# KiCad board stereoBoy_MGB.kicad_pcb (continued)
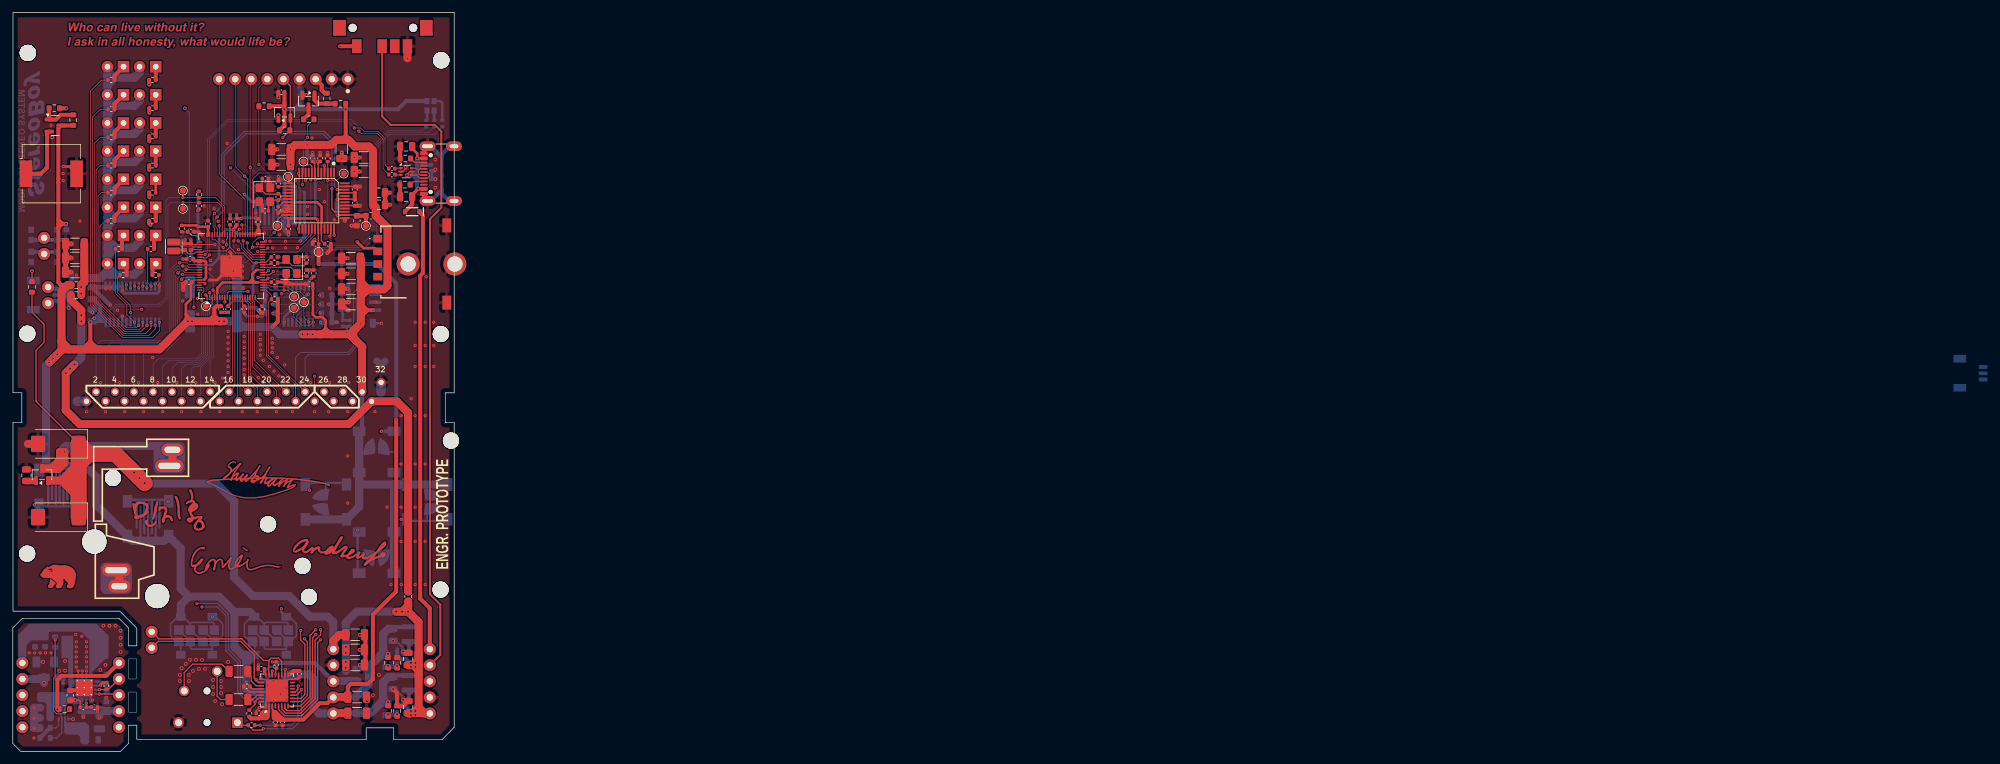
[diagram p0: board, top side]
## Routing (per net, layer and track width the routed paths; a pad name or vN(x,y) marks a point on that pad's centre or on a via; arc(x,y) is an arc through that point) (continued)
+5V_BUCK: length 2.6
  Top w0.203: v2(9.86,8.1) 10.49,8.1 10.65,7.94 R4.1
  Top w0.635: C28.1 v2(9.86,8.1)
+5V_OUT: length 62
  Top w1.27: 64.05,15.56 64.05,14.92 ; 64.05,14.92 64.05,14.47 63.24,13.66 C9.1 ; 64.05,14.92 64.05,20.42 v2(62.4,22.07) ; 64.05,14.92 64.05,13.65 ; v2(61.46,22.07) 62.4,23.01 L7.2 v2(62.4,22.07) ; C9.1 64.05,13.66 64.05,13.65 ; C9.1 63.16,13.66 64.05,12.77 64.05,12.06 ; 64.05,6.96 63.13,6.04 C11.1 65.78,6.04 J13.6 65.03,5.99 64.05,6.96 ; 64.05,6.96 64.05,12.06 ; v2(62.4,22.07) v2(60.5,22.07) ; 64.05,12.06 64.05,13.65
  Bottom w0.635: 62.56,13.49 62.56,14.13 62.1,14.59 61.18,14.59 60.66,15.1 U8.1 ; 62.56,5.87 62.56,6.51 62.1,6.97 61.18,6.97 60.66,7.48 U4.1
  Bottom w1.27: 65.71,5.87 J13.6 ; v2(62.4,22.07) 54.31,22.07 52.56,20.32 L3.2
  vias: v2(52.56,16.51) v2(52.56,15.56) v2(52.56,14.13) v2(52.56,13.18) v2(62.85,13.97) v2(62.85,13.34) v2(62.85,6.37) v2(62.85,5.72) v2(63.55,13.97) v2(63.55,13.34) v2(63.55,6.37) v2(63.55,5.72)
+5V_SPK: length 19.3
  Top w0.203: U10.21 41.5,12.12 41.5,13.07 C84.1 ; v1(39.76,12.25) U10.24
  Top w0.406: C83.1 39.7,12.31 v1(39.76,12.25)
  Top w0.508: v1(41.32,13.39) 41.53,13.18 C84.1
  Bottom w0.406: v1(39.76,12.25) 39.76,12.6 40.53,13.37 41.3,13.37 v1(41.32,13.39)
  Bottom w0.635: J13.3 47.69,13.97 41.9,13.97 v1(41.32,13.39)
  Bottom w1.27: C87.2 L3.1 50.63,11.11 J13.3
+VCC_LED: length 139.5
  Top w1.27: C56.2 C88.2 11.28,74.14 R22.2 R21.1
  Bottom w1.27: 16.21,88.66 19.21,88.66 20.02,89.46 D5.2 ; 16.21,88.66 14.94,89.93 D13.2 14.94,91.83 16.21,93.1 ; 16.21,88.66 14.94,87.39 D14.2 14.94,85.41 16.13,84.21 ; 16.21,88.66 15.18,88.66 14.94,88.9 ; 16.21,79.53 14.94,80.8 D15.2 14.94,83.01 16.13,84.21 ; 16.21,79.53 18.98,79.53 20.02,80.57 D7.2 ; 16.21,79.53 14.94,78.26 D16.2 ; 16.21,79.53 14.94,79.53 ; 14.94,98.27 14.94,93.66 ; 14.94,98.27 D11.2 14.94,100.72 16.21,101.99 ; 14.94,98.27 14.94,102.39 ; 13.82,74.77 14.94,75.88 D16.2 ; 13.82,74.77 14.37,75.32 16.21,75.32 ; 13.82,74.77 11.75,74.77 10.81,73.83 10.81,72.35 ; 16.37,97.55 14.94,96.12 D12.2 14.94,94.37 16.21,93.1 ; 16.37,97.55 15.64,97.55 ; 16.37,97.55 19.21,97.55 20.02,98.35 D3.2 ; 14.94,105.25 16.05,106.36 16.05,106.44 ; 14.94,105.25 14.94,106.68 ; 14.94,105.25 14.94,102.39 ; D10.2 14.94,103.26 16.21,101.99 ; D1.2 20.02,107.24 19.21,106.44 16.05,106.44 ; 16.13,84.21 16.37,84.21 ; 14.94,106.68 D9.2 14.94,107.55 16.05,106.44 ; 14.94,106.68 15.18,106.44 16.05,106.44 ; 14.94,99.22 14.94,98.75 16.21,97.48 ; 14.94,88.9 14.94,79.53 ; 14.94,88.9 14.94,93.66 ; 16.21,93.1 19.21,93.1 20.02,93.9 D4.2 ; 16.21,93.1 15.5,93.1 14.94,93.66 ; 16.21,75.32 14.94,76.59 D16.2 ; 16.21,75.32 19.21,75.32 20.02,76.12 D8.2 ; D16.2 14.94,79.53 ; 16.37,84.21 15.02,84.21 14.94,84.3 ; 16.37,84.21 19.21,84.21 20.02,85.01 D6.2 ; 16.21,101.99 15.34,101.99 14.94,102.39 ; 16.21,101.99 19.21,101.99 20.02,102.79 D2.2
  vias: v2(10.77,73.34) v2(10.81,72.31)
AVDD: length 16.4
  Top w0.203: C49.1 53.9,87.25 U1.43 51.3,87.25 v1(51.21,87.15) 51.21,88.05 51.4,88.25 U1.45 53.97,88.25 C75.1 ; v1(51.27,84.63) 51.39,84.75 U1.38 54.17,84.75 C54.1
  Top w0.635: C54.1 L8.2 TP10.1 ; C75.1 C49.1
  Bottom w0.635: v1(51.21,87.15) 51.21,84.69 v1(51.27,84.63)
GND: length 318.8
  Top w0.102: v1(61.13,90.01) 61.07,89.95 R16.2 ; C18.2 36.53,69.2 v1(36.66,69.06) ; C39.1 43.5,82.07 ; R33.2 v1(61.13,93.19)
  Top w0.152: v1(31.9,80.05) 31.88,80.08 U11.62 28.22,80.08 C81.1
  Top w0.203: C41.1 38.42,6.41 v1(38.93,6.92) 39.7,6.92 U10.1 39.95,7.17 39.95,7.87 U10.33 ; v1(43.19,8.1) 41.7,9.59 U10.33 ; v2(62.01,92.3) 62.01,92.07 61.54,91.6 U12.2 ; U10.33 40.86,10.45 v1(40.18,10.45) 40.18,11.14 39.95,11.36 39.25,11.36 U10.25 39.25,11.59 v1(39.16,11.68) ; U10.33 41.7,9.88 42.27,10.45 ; U10.33 41.95,9.87 U10.20 ; U10.33 41.45,9.37 U10.29 39.22,9.39 37.31,9.39 C13.1 ; U10.33 42.45,10.37 ; U10.33 42.95,10.87 U10.18 42.95,12.88 v1(43,12.93) ; U10.33 43.44,11.36 44.14,11.36 U10.16 44.5,11.37 44.57,11.43 ; U10.33 41.7,8.56 v1(41.14,8) ; U10.33 41.7,8.88 41.1,8.28 ; U10.33 41.83,9.62 42.24,9.21 v1(42.24,9.05) v1(43.19,10) ; U10.33 41.43,9.62 40.59,10.45 ; U1.4 49.21,92.48 v1(49.18,92.51) ; U1.35 50.16,82.5 50.16,81.5 v1(50.04,81.38) ; v1(40.97,14.13) 40.98,14.14 C84.2 ; C49.2 53.94,86.25 U1.41 ; U1.47 53.97,89.25 C75.2
  Top w0.406: R49.2 v1(46.84,76.04) C20.1 ; v1(36.05,84.17) C57.2 v1(35.35,84.77) ; C40.1 v1(47.32,94.62) ; v1(34.23,77.96) 34.46,77.74 U11.81 ; 43.83,73.84 43.02,73.84 42.72,74.14 ; 43.83,73.84 43.15,74.52 43.15,74.61 ; 43.83,73.84 43.85,73.82 C15.1 ; 28.11,80.75 28.11,80.16 ; v1(38.36,86.84) Y1.2 39.38,86.37 C4.1 ; Y1.4 40.34,89.3 40.34,90.49 ; 43.35,74.14 43.15,74.34 43.15,74.61 ; 43.35,74.14 43.51,73.98 ; 43.35,74.14 42.72,74.14 ; Y2.4 43.15,74.61 ; 43.15,74.61 43.15,74.5 ; 43.15,74.61 43.15,74.57 42.72,74.14 ; 43.51,86.19 U1.21 43.51,85.3 43.45,85.3 43.39,85.36 42.2,85.36 C71.1 ; C14.2 29.39,82.07 v1(29.88,81.59) ; C47.2 38.73,84.16 38.5,84.16 v1(38.36,84.3) ; 49.67,94.16 R50.2 v1(49.7,94.62) ; v1(13.83,10.47) 14.22,10.86 R54.2 ; C19.2 42.72,74.14 ; C21.1 45.11,78.11 v1(45.1,78.11) ; v1(34.79,74.87) 34.46,75.19 U11.81 ; C36.1 44.94,11.43 44.57,11.43 ; C81.1 C82.2 ; v1(36.21,76.68) 36.08,76.56 34.58,76.56 U11.81 ; U11.81 34.46,76.62 v1(36.21,74.88) ; U11.81 34.46,76.26 v1(34.85,75.88) ; U11.81 32.24,74.45 v1(31.08,74.45) ; U11.81 34.46,78.71 v1(34.26,78.91) ; C23.2 34.3,84.77 v1(34.3,84.77) ; C25.2 v1(33.45,69.37) 32.88,69.37 C17.2 ; v1(13.35,6.35) 13.36,6.36 R13.2 ; v1(48.51,94.62) C38.1 ; v1(43.51,81.62) C39.1 ; v1(47.65,80.88) 47.31,80.54 C26.1 ; 27.16,80.16 27.16,80.8 ; 7.95,92.39 8.94,92.39 BZ1.2 ; C83.2 38.74,13.65 v1(38.75,13.65) ; v1(42.88,85.57) 43.13,85.57 ; C27.1 v1(41.92,90.81) ; C79.2 v1(26.84,77.79)
  Top w0.508: 64.89,88.08 64.89,87.54 J7.S1 ; 65.46,95.6 64.89,95.03 J7.A12
  Top w0.635: v1(59.54,88.27) C69.1 58.74,86.37 C61.1 v1(59.54,86.36) ; v1(54.81,86.19) C49.2 ; v1(54.81,89.23) C75.2 ; v2(46.37,103.66) Q3.2 ; C73.1 v1(41.76,92.71) ; v1(53.9,93.82) v1(54.78,93.82) ; C51.1 v1(52.85,75.46) ; R33.2 61.14,93.67 C76.2 ; 55.67,16.03 54.94,16.03 ; v1(53.9,91.6) v1(54.78,91.6) ; v1(26.88,72.9) v1(26.88,73.85) 27.03,73.85 C16.2 ; C68.2 61.14,89.47 R16.2 ; v1(49.64,78.75) 50.19,79.3 C37.1 ; U3.17 10.88,9.65 C28.2 ; C46.1 v1(52.85,77.91) ; 54.94,18.41 55.67,18.41 55.67,13.65 54.94,13.65 ; v1(52.4,83.82) 52.4,84.08 52.41,84.08 ; v1(51.92,93.66) v1(51.92,94.62) ; v1(53.04,70.96) 52.2,70.96 C70.1 52.86,69.69 v1(53.04,69.69) ; C11.2 61.67,7.21 R36.2 60.66,9.21 v2(60.02,9.85) ; C72.1 v1(41.76,95.09) ; v2(41.92,103.35) C52.2 ; v1(52.85,73.06) C55.1 ; v1(53.47,83.06) C54.2
  Top w0.762: v1(9.22,75.72) C88.1 C56.1 9.22,80.17 v1(9.23,80.16) ; C45.1 v1(9.22,77.95)
  Top w1.27: -0.P$3 16.81,28.15 -0.P$4 ; C2.2 v1(2.39,48.58) ; v1(62.3,109.49) SW3.P$3
  In1.Cu w0.254: J5.4 22.94,4.54 22.48,5.01 18.09,5.01 J10.2
  Bottom w0.2: 52.09,68.11 C58.2
  Bottom w0.203: J1.12 38.34,84.32 v1(38.36,84.3) ; v1(11.61,12.69) U3.7 11.61,10.38 ; v1(10.31,12.7) U3.5 10.31,11.03 U3.17 ; v1(12.55,8.1) 12.55,8.09 U3.13 12.26,9.08 U3.17 ; 11.61,10.38 U3.10 13.74,10.38 v1(13.83,10.47) ; 11.61,10.38 U3.17 ; U3.17 10.96,10.38 U3.6 v1(10.96,12.69) ; J1.6 J1.5
  Bottom w0.254: v2(9.51,5.1) 9.46,5.15 U7.1
  Bottom w0.305: v2(60.02,17.46) 60.48,17.46 61.61,16.33 v2(61.61,15.77) ; v2(61.61,8.15) 61.61,8.57 60.34,9.85 v2(60.02,9.85)
  Bottom w0.406: v1(42.82,67.78) 42.82,68.58 46.45,72.21 v1(46.65,72.21) ; 17.05,73.5 U2.1 12.74,73.5 C29.1 ; 17.05,73.5 U2.5 17.27,72.69 17.61,72.36 22.79,72.36 23.12,72.69 U2.14 v1(23.12,73.54) ; 17.05,73.5 17.25,73.5 17.25,73.5 v1(17.25,72.71) ; v1(46.54,86.09) 46.04,86.09 J1.1 ; v1(58.19,67.63) C59.2 ; v1(36.66,69.06) 36.66,69.01 36.94,68.74 39.38,68.74 39.83,69.18 R6.1 ; v1(36.56,87.99) 37.71,86.84 v1(38.36,86.84) 38.36,85.11 J1.12 ; 45.89,88.42 46.04,88.27 J1.1 ; U6.10 v1(43.47,73.98) ; v1(36.05,84.17) 36.18,84.3 v1(38.36,84.3) ; D23.1 v2(4.78,14.13) ; J1.1 46.29,84.84 v1(46.54,84.84) ; J1.1 46.04,81.77 ; U14.1 52.08,69.53 C58.2 C60.2 ; v1(57.3,70.96) U14.7 ; v1(17.27,68.78) U2.24 ; 41.97,90.76 v1(41.92,90.81)
  Bottom w0.635: v1(45.41,80.62) 46.04,81.26 46.04,81.77 ; J7.S1 68.89,86.96 67.7,88.16 67.7,88.7 ; C64.2 12.54,69.38 v2(12.55,69.37) ; R7.1 v1(49.86,70.64) ; 16.61,73.31 C29.1 15.31,70.55 15.35,70.55 ; R9.1 R10.1 v1(51.14,67.79) ; 67.7,88.7 67.7,93.86 ; 67.7,88.7 65.96,86.96 J7.S1 ; U14.2 v1(53.04,70.96) 53.04,72.87 v1(52.85,73.06) 52.4,73.5 U14.4 ; 69.08,95.6 69.02,95.6 67.7,94.28 67.7,93.86 ; 42.88,85.09 42.88,86.68 ; v1(26.88,72.9) 27.32,73.34 C43.2 27.39,73.34 v1(26.88,73.85) ; 67.7,93.86 65.96,95.6 65.46,95.6 ; v2(8.82,70.07) 8.82,71.68 8.43,72.07 J2.2 ; v1(14.75,8.5) 14.75,7.84 R3.2 ; v1(43.51,81.62) 42.88,82.26 v1(42.88,85.57) 42.88,89.85 v1(41.92,90.81) ; C8.2 v1(11.13,5.4) ; v2(66.7,90.41) 66.05,90.41 C5.1 66.48,91.71 v2(66.69,91.92) ; v1(34.94,73.21) 34.96,73.18 v1(36.37,73.18) ; R12.1 R6.1 ; U14.1 v1(53.04,69.69)
  Bottom w0.762: v1(9.22,75.72) 9.22,72.87 8.43,72.07
  Bottom w1.27: J10.2 13.82,6.35 C42.2 ; C42.2 11.14,6.51 C8.2 ; C42.2 13.67,5.56 ; v2(4.94,10.8) C62.2 4.68,11.43 J11.4 ; C7.2 v1(3.35,5.29) ; C63.2 v1(3.35,6.88) v1(3.35,3.71) 4.22,3.71 4.24,3.73
  Bottom w1.5: 58.12,58.26 58.12,56.79 ; 11.64,55.29 10.18,55.29
  vias: v1(2.59,15.56) v1(3.35,2.12) v1(3.45,15.56) v1(4.31,15.56) v1(5.17,15.56) v1(6.05,98.9) v1(6.03,15.56) v1(7.96,92.39) v1(7.96,91.28) v1(7.95,90.17) v1(7.95,10.8) v1(9.93,18.44) v1(10.02,75.25) v1(10.02,17.3) v1(10.02,16.51) v1(10.02,15.72) v1(10.02,14.92) v1(10.02,14.13) v1(10.02,13.34) v1(10.59,83.78) v1(10.89,18.18) v1(11.6,56.99) v1(11.64,53.66) v1(11.63,17.3) v1(11.63,16.51) v1(11.63,15.72) v1(11.63,14.92) v1(11.63,14.13) v1(11.63,13.34) v1(13.67,5.4) v1(13.82,58.26) v1(14.67,73.18) v1(14.62,53.66) v1(15.32,73.18) v1(15.4,70.5) v1(16.52,69.69) v1(16.84,58.26) v1(17.67,53.66) v1(19.86,58.26) v1(20.65,53.66) v1(22.08,62.23) v1(22.87,58.26) v1(23.67,53.66) v1(25.89,58.26) v1(26.64,53.66) v1(26.81,71.16) v1(27.16,80.8) v1(28.11,80.8) v1(28.91,58.26) v1(29.2,69.05) v1(29.7,53.66) v1(30.21,86.18) v1(31.15,76.18) v1(31.23,77.54) v1(31.79,85.72) v1(31.92,58.26) v1(32.42,83.73) v1(32.68,53.66) v1(33.11,58.98) v1(33.21,80.51) v1(33.83,96.04) v1(33.99,66.36) v1(33.99,65.43) v1(33.99,64.5) v1(33.99,63.57) v1(33.99,62.64) v1(33.99,61.71) v1(33.99,60.78) v1(33.99,59.85) v1(35.62,79.27) v1(36.21,75.88) v1(36.21,53.66) v1(36.53,65.56) v1(36.53,64.69) v1(36.53,63.82) v1(36.53,62.94) v1(36.53,62.07) v1(36.53,61.2) v1(36.53,60.33) v1(36.53,59.45) v1(36.53,58.58) v1(38.36,85.09) v1(38.59,53.66) v1(38.63,68.73) v1(38.75,59.06) v1(39.07,65.88) v1(39.07,65.06) v1(39.07,64.23) v1(39.07,63.4) v1(39.07,62.58) v1(39.46,58.35) v1(39.54,61.75) v1(39.7,81.89) v1(39.83,71.28) v1(40.5,60.8) v1(40.6,80.58) v1(40.64,89.85) v1(40.98,79.55) v1(40.96,65.25) v1(40.96,64.51) v1(40.96,63.77) v1(40.96,63.03) v1(41.13,11.11) v1(41.24,60.06) v1(41.61,53.66) v1(41.74,62.23) v1(41.98,59.32) v1(42,78.12) v1(42.13,81.62) v1(42.72,58.58) v1(42.93,61.07) v1(43.03,80.58) v1(43.03,79.53) v1(44.14,53.66) v1(44.65,90.22) v1(44.62,77.31) v1(44.93,79.58) v1(45.42,58.26) v1(46.21,90.24) v1(47,58.26) v1(47.22,96.9) v1(47.64,53.66) v1(48.39,88.74) v1(49.21,86.84) v1(49.86,53.66) v1(50.02,73.16) v1(50.02,58.26) v1(50.74,83.98) v1(52.88,53.66) v1(52.88,46.67) v1(52.88,39.21) v1(53.04,58.26) v1(57.16,53.66) v1(59.07,38.58) v1(59.7,26.35) v1(61.29,53.02) v1(61.29,45.4) v1(61.29,38.58) v1(61.29,33.18) v1(61.32,26.35) v1(62.88,55.72) v1(63.51,67.79) v1(63.51,64.14) v1(63.51,60.8) v1(63.51,53.02) v1(63.51,45.4) v1(63.51,38.58) v1(63.51,33.18) v1(63.51,26.35) v1(65.1,67.79) v1(65.1,64.14) v1(65.1,60.8) v1(65.1,53.02) v1(65.1,45.4) v1(65.1,33.18) v1(65.1,26.35) v1(65.24,74.99) v1(66.45,67.79) v1(66.45,64.14) v1(66.45,60.8) v2(6.23,97) v2(7.32,12.7) v2(8.24,14.26) v2(8.24,12.74) v2(13.82,12.86) v2(14.3,19.84) v2(14.62,13.65) v2(15.25,19.84) v2(16.21,19.84) v2(17,19.05) v2(17,17.94) v2(17,16.83) v2(17,15.72) v2(26.37,12.06) v2(26.37,11.11) v2(26.65,13.14) v2(27.32,13.81) v2(27.79,12.06) v2(27.79,11.11) v2(27.95,14.45) v2(28.43,12.7) v2(28.91,14.45) v2(29.38,13.02) v2(29.86,14.45) v2(30.34,13.02) v2(31.6,11.27) v2(31.6,10.16) v2(31.6,9.05) v2(31.92,7.94) v2(32.88,11.11) v2(32.88,10.16) v2(32.88,9.21) v2(33.03,7.46) v2(33.99,14.13) v2(41.93,100.49) v2(54.78,18.41) v2(54.78,16.03) v2(54.78,13.65) v2(55.89,7.94) v2(56.85,8.89) v2(57.8,12.06) v2(66.69,93.5) v2(66.69,89.06)
VBUS: length 70.2
  Top w0.635: D22.1 64.74,84.71 64.74,75.57 64.31,75.14 64.31,24.13 65.82,22.61 65.82,16.12
VBUS_MODULE: length 22
  Top w0.203: R39.2 7.28,6.63 v2(7.03,6.63)
  Top w0.635: v2(7.03,6.63) 7.03,11.31 7.65,11.92 14.7,11.92 J10.5
  Bottom w0.203: v2(7.03,6.63) 7.04,6.63 U7.5 7.23,6.04 7.73,5.54 U7.3 7.73,2.96 6.89,2.12 R55.1
VBUS_RAW: length 22.9
  Top w0.203: v2(62.21,91.02) 62.21,91.12 62.69,91.6 U12.5
  Top w0.406: J7.A9 63.85,93.68 v2(63.83,93.7) 63.83,94.46 63.04,95.25 C76.1
  Top w0.508: 64.89,88.88 v2(64,88.88) 63.04,87.92 C68.1
  Top w0.635: C68.1 63.04,86.41 D22.2
  Bottom w0.635: 63.83,93.31 63.83,93.28 64.45,92.67 ; 63.83,93.31 v2(63.83,93.7) ; 63.83,93.31 63.83,92.71 ; 64.45,92.67 63.89,92.11 63.83,92.11 ; 64.45,92.67 63.87,92.67 63.83,92.71 ; 64.45,92.67 C5.2 ; 63.83,90.81 63.83,90.31 ; 63.83,90.81 63.62,91.02 62.85,91.02 ; 63.83,90.81 63.83,91.81 ; 63.83,90.31 63.12,91.02 62.85,91.02 ; 63.83,90.31 63.83,89.05 v2(64,88.88) ; 62.85,91.02 62.24,91.02 62.23,91.01 ; 62.85,91.02 63.05,91.02 63.83,91.81 ; 63.83,91.81 63.83,92.11 ; 63.83,92.71 63.83,92.11
+BATT: length 113.5
  Top w0.203: R23.1 3.03,69.37 4.94,67.47 4.94,64.61 3.66,63.34 3.66,55.31 C2.1
  Top w1.27: J13.5 50.59,17.48 51.53,18.41 C34.2 ; 10.15,42.86 10.21,42.81 10.13,42.88
  Top w2.54: v2(20.81,42.39) 16.21,46.99 12.55,46.99 ; 10.4,46.99 C2.1 11.98,46.99 ; 10.4,46.99 10.4,45.4 ; 10.4,46.99 12.55,46.99 ; C1.1 10.4,45.4 ; 10.4,45.4 11.98,46.99 ; 11.98,46.99 12.55,46.99
  Bottom w1.27: v2(19.14,44.05) 20.9,42.3 32.17,42.3 34.94,39.53 34.94,27.48 37.87,24.56 43.61,24.56 46.9,21.27 49.7,21.27 50.58,20.39 50.58,16.12
  vias: v2(20.02,43.18)
+BATT_MODULE: length 29.3
  Bottom w0.203: 13.03,15.89 12.26,15.11 12.26,12.51 12.75,12.02 12.75,12.01 ; 12.75,12.01 12.45,11.71 12.25,11.71 ; 12.75,12.01 14.63,12.01 R1.1 ; 12.75,12.01 12.74,12.02 U3.8
  Bottom w0.635: C85.1 3.51,18.26
  Bottom w1.27: 13.19,17.41 11.07,19.53 2.87,19.53 1.51,18.16 J11.5 ; 13.19,17.41 11.5,19.1 ; 13.19,17.41 13.19,15.64
ADC0: length 31
  Top w0.102: U11.49 35.06,80.81 v1(34.87,80.63)
  Bottom w0.102: v1(34.87,80.63) 34.87,77.9 33.32,76.34 33.32,73.02 30.73,70.42 30.73,62.59 29.24,61.1 27.3,61.1 26.64,60.44 J3.11
BACKLIGHT: length 46.2
  Top w0.102: U11.2 31.06,72.43 v1(31.07,72.44)
  Top w0.635: J6.7 48.75,105.25 v1(48.75,104.46) 49.23,103.98 R31.2
  In1.Cu w0.102: v1(48.75,104.46) 48.75,101.92 43.03,96.2 39.09,96.2 31.29,88.4 31.29,79.96 32.08,79.17 32.08,74.06 31.07,73.04 v1(31.07,72.44)
BTN_A: length 48.5
  In2.Cu w0.102: v1(40.97,70.64) 42.24,69.37 42.24,60.36 37.13,55.24 37.13,45.84 30.75,39.47 v1(24.53,39.47)
  Bottom w0.102: U6.13 45.42,72.55 43.52,70.64 R5.2
  Bottom w0.203: BTN_A1.2 24.57,39.47 v1(24.53,39.47)
BTN_B: length 65.9
  In2.Cu w0.102: v1(3.39,38.95) 6.01,41.57 27.61,41.57 34.14,48.1 34.14,55.4 41.61,62.87 41.61,68.65 v1(41.05,69.21)
  Bottom w0.102: U6.14 46.07,72.57 42.72,69.22 R6.2
BTN_D: length 41.2
  In2.Cu w0.102: v1(48.5,69.26) 48.71,69.26 49.25,68.72 49.25,58.24 51.92,55.56 51.92,52.93 54.47,50.39 54.47,34.98 v1(54.43,34.94)
  Bottom w0.102: U6.4 45.42,68.75 45.93,69.26 v1(48.5,69.26)
BTN_L: length 50.9
  In2.Cu w0.102: v1(61.32,36.66) 61.32,36.67 60.02,37.97 60.02,65.09 53.04,72.07 v1(48.45,72.07)
  Bottom w0.102: U6.6 44.12,68.72 47.48,72.07 v1(48.45,72.07)
  Bottom w0.406: v1(61.32,36.66) 61.33,36.67 62.15,36.67 BTN_L1.2
BTN_R: length 31.9
  In2.Cu w0.102: v1(46.84,41.28) 46.54,41.58 46.54,55.73 48.6,57.79 v1(48.6,67.76)
  Bottom w0.102: U6.3 46.07,68.74 46.19,68.86 47.65,68.86 R10.2
  Bottom w0.2: R10.2 48.67,67.74 48.43,67.74
BTN_SELECT: length 61.6
  In2.Cu w0.102: v1(31.51,21.25) 31.77,21.51 31.77,31.44 40.18,39.85 40.18,55.25 43.43,58.5 43.43,70.18 v1(41.4,72.21)
  Bottom w0.102: v1(41.4,72.21) 41.83,71.78 44.01,71.78 44.77,72.55 U6.12
BTN_START: length 57.3
  In2.Cu w0.102: v1(42.4,22.54) 42.4,22.55 42.4,54.44 44.12,56.16 44.12,70.65 42.39,72.39
  Bottom w0.102: v1(42.45,72.28) 43.86,72.28 44.12,72.55 U6.11 ; 42.45,72.3 41.48,73.27
  Bottom w0.2: v1(42.45,72.28) 42.45,72.3 ; 41.48,73.27 R12.2
  Bottom w0.406: START1.2 42.4,22.02 v1(42.4,22.54)
BTN_U: length 31.7
  In2.Cu w0.102: v1(48.45,70.64) 48.75,70.64 49.7,69.69 49.7,60.7 54.94,55.47 54.94,53.79 v1(58.18,50.56)
  Bottom w0.102: U6.5 44.77,68.73 46.69,70.64 v1(48.45,70.64)
  Bottom w0.635: v1(58.18,50.56) BTN_U1.2
BUZZER: length 53.1
  Top w0.102: v1(31.61,72.88) 31.76,72.72 31.76,72.25 31.86,72.15 U11.4
  Top w0.635: R2.1 v2(8.43,101.6)
  In2.Cu w0.152: v2(27.16,101.6) v2(8.43,101.6)
  Bottom w0.152: v2(27.16,101.6) 27.16,101.6 27.85,100.91 27.85,82.6 26.53,81.28 26.53,79.26 29.43,76.35 30.15,76.35 31.61,74.89 v1(31.61,72.88)
CODEC_DREQ: length 22.1
  Top w0.102: v1(40.25,79.53) 40,79.28 U11.37
  Top w0.152: TP31.1 46.43,92.64 47.01,92.64 47.21,92.45 U1.8 47.21,90.45 v1(47.04,90.29)
  Bottom w0.102: v1(40.25,79.53) 40.75,79.03 45.39,79.03 47.04,80.69 v1(47.04,90.29)
  Bottom w0.152: v1(40.25,79.53) 40.25,79.53
CODEC_L_OUT: length 42.3
  Top w0.102: U11.57 31.86,82.61 31.62,82.85 31.62,84.78 v1(31.84,84.99)
  Top w0.203: U1.46 51.23,88.75 51.22,88.75 v1(51.22,88.77)
  Bottom w0.2: v1(51.22,88.77) 51.22,88.83 50.77,89.28 50.77,96.33 49.16,97.95 36.59,97.95 32.95,94.3 32.95,86.11 v1(31.84,84.99)
CODEC_R_OUT: length 44.9
  Top w0.102: U11.56 32.26,82.64 31.92,82.98 31.92,84.1 v1(32.24,84.42)
  Top w0.2: v1(50.37,88.9) 50.37,85.69 50.82,85.25 U1.39
  Bottom w0.2: v1(32.24,84.42) 33.35,85.53 33.35,94.14 36.76,97.55 48.99,97.55 50.37,96.17 v1(50.37,88.9)
CODEC_RST: length 27.3
  Top w0.102: v1(49.71,90.17) 51.13,90.17 TP27.1
  Top w0.152: v1(40.34,75.95) 40.34,75.93 40.08,75.68 U11.28 ; 49.7,93.12 49.71,93.12 U1.3 v1(49.71,90.17)
  Bottom w0.102: v1(49.71,90.17) 49.71,83.71 48.27,82.28 48.27,80.17 44.53,76.42 40.81,76.42 v1(40.34,75.95)
CODEC_XCS: length 6.7
  Top w0.102: v1(39.9,80.61) 39.76,80.48 U11.40 ; TP33.1 41.65,82.91 41.65,82.36 v1(41.25,81.96)
  Top w0.203: U1.23 42.53,84.75 41.76,83.98 TP33.1
  Bottom w0.102: v1(41.25,81.96) v1(39.9,80.61)
CODEC_XDCS: length 16.1
  Top w0.102: U1.13 43.51,90.71 TP32.1 42.84,91.37 38.84,91.37 37.86,90.4 U11.42
DAC_GPIO1: length 74.7
  Top w0.102: v1(29.16,71.53) 29.51,71.88 U11.80
  Top w0.203: v1(38.93,7.62) 39.18,7.87 U10.32
  In1.Cu w0.102: v1(29.06,23.36) 29.06,54.29 26.68,56.67 26.68,69.05 v1(29.16,71.53)
  Bottom w0.203: v1(29.06,23.36) 32.32,23.36 34.03,21.65 34.03,16.09 35.91,14.22 35.91,9.51 36.99,8.43 38.43,8.43 38.93,7.93 v1(38.93,7.62)
DAC_RST: length 78
  Top w0.102: v1(28.59,70.17) 28.59,73.34 28.92,73.68 U11.78
  Top w0.203: R30.1 38.27,7.46 38.27,7.78 ; 38.27,7.78 38.27,7.94 38.7,8.37 U10.31 ; 38.27,7.78 38.26,7.78 v1(38.25,7.77)
  In1.Cu w0.102: v1(28.59,70.17) 26.99,68.57 26.99,59.4 30.97,55.41 30.97,53.98 29.86,52.86 v1(29.86,22.81)
  Bottom w0.203: v1(29.86,22.81) 32.3,22.81 33.63,21.48 33.63,15.92 35.5,14.05 35.5,9.34 36.82,8.02 38,8.02 v1(38.25,7.77)
HP_L: length 11
  Top w0.203: C32.2 33,13.77 28.39,13.77 27.05,12.43 J5.2
HP_R: length 6
  Top w0.203: J5.3 32.25,8.72 32.78,8.19 C33.1
HSTX_12: length 17.3
  Top w0.102: J3.15 32.64,56.91 34.66,58.94 U11.11
HSTX_13: length 15.3
  Top w0.102: U11.12 35.06,57.72 J3.16
HSTX_14: length 16.5
  Top w0.102: J3.17 35.46,55.47 U11.13
HSTX_15: length 15.5
  Top w0.102: U11.14 35.86,58.07 J3.18
HSTX_16: length 17.2
  Top w0.102: J3.19 38.64,57.42 37.21,58.85 37.21,70.64 36.66,71.18 U11.16
HSTX_17: length 16.2
  Top w0.102: U11.17 37.06,71.21 37.51,70.76 37.51,59.5 40.14,56.87 J3.20
HSTX_18: length 18.2
  Top w0.102: U11.18 37.46,71.25 37.82,70.89 37.82,60.78 41.64,56.96 J3.21
HSTX_19: length 17.1
  Top w0.102: U11.19 37.86,71.28 38.13,71.02 38.13,61.81 J3.22
I2C0_SCL: length 96.7